# Allegro board BeagleBone_Green_Wireless_V1.0.brd (continued)
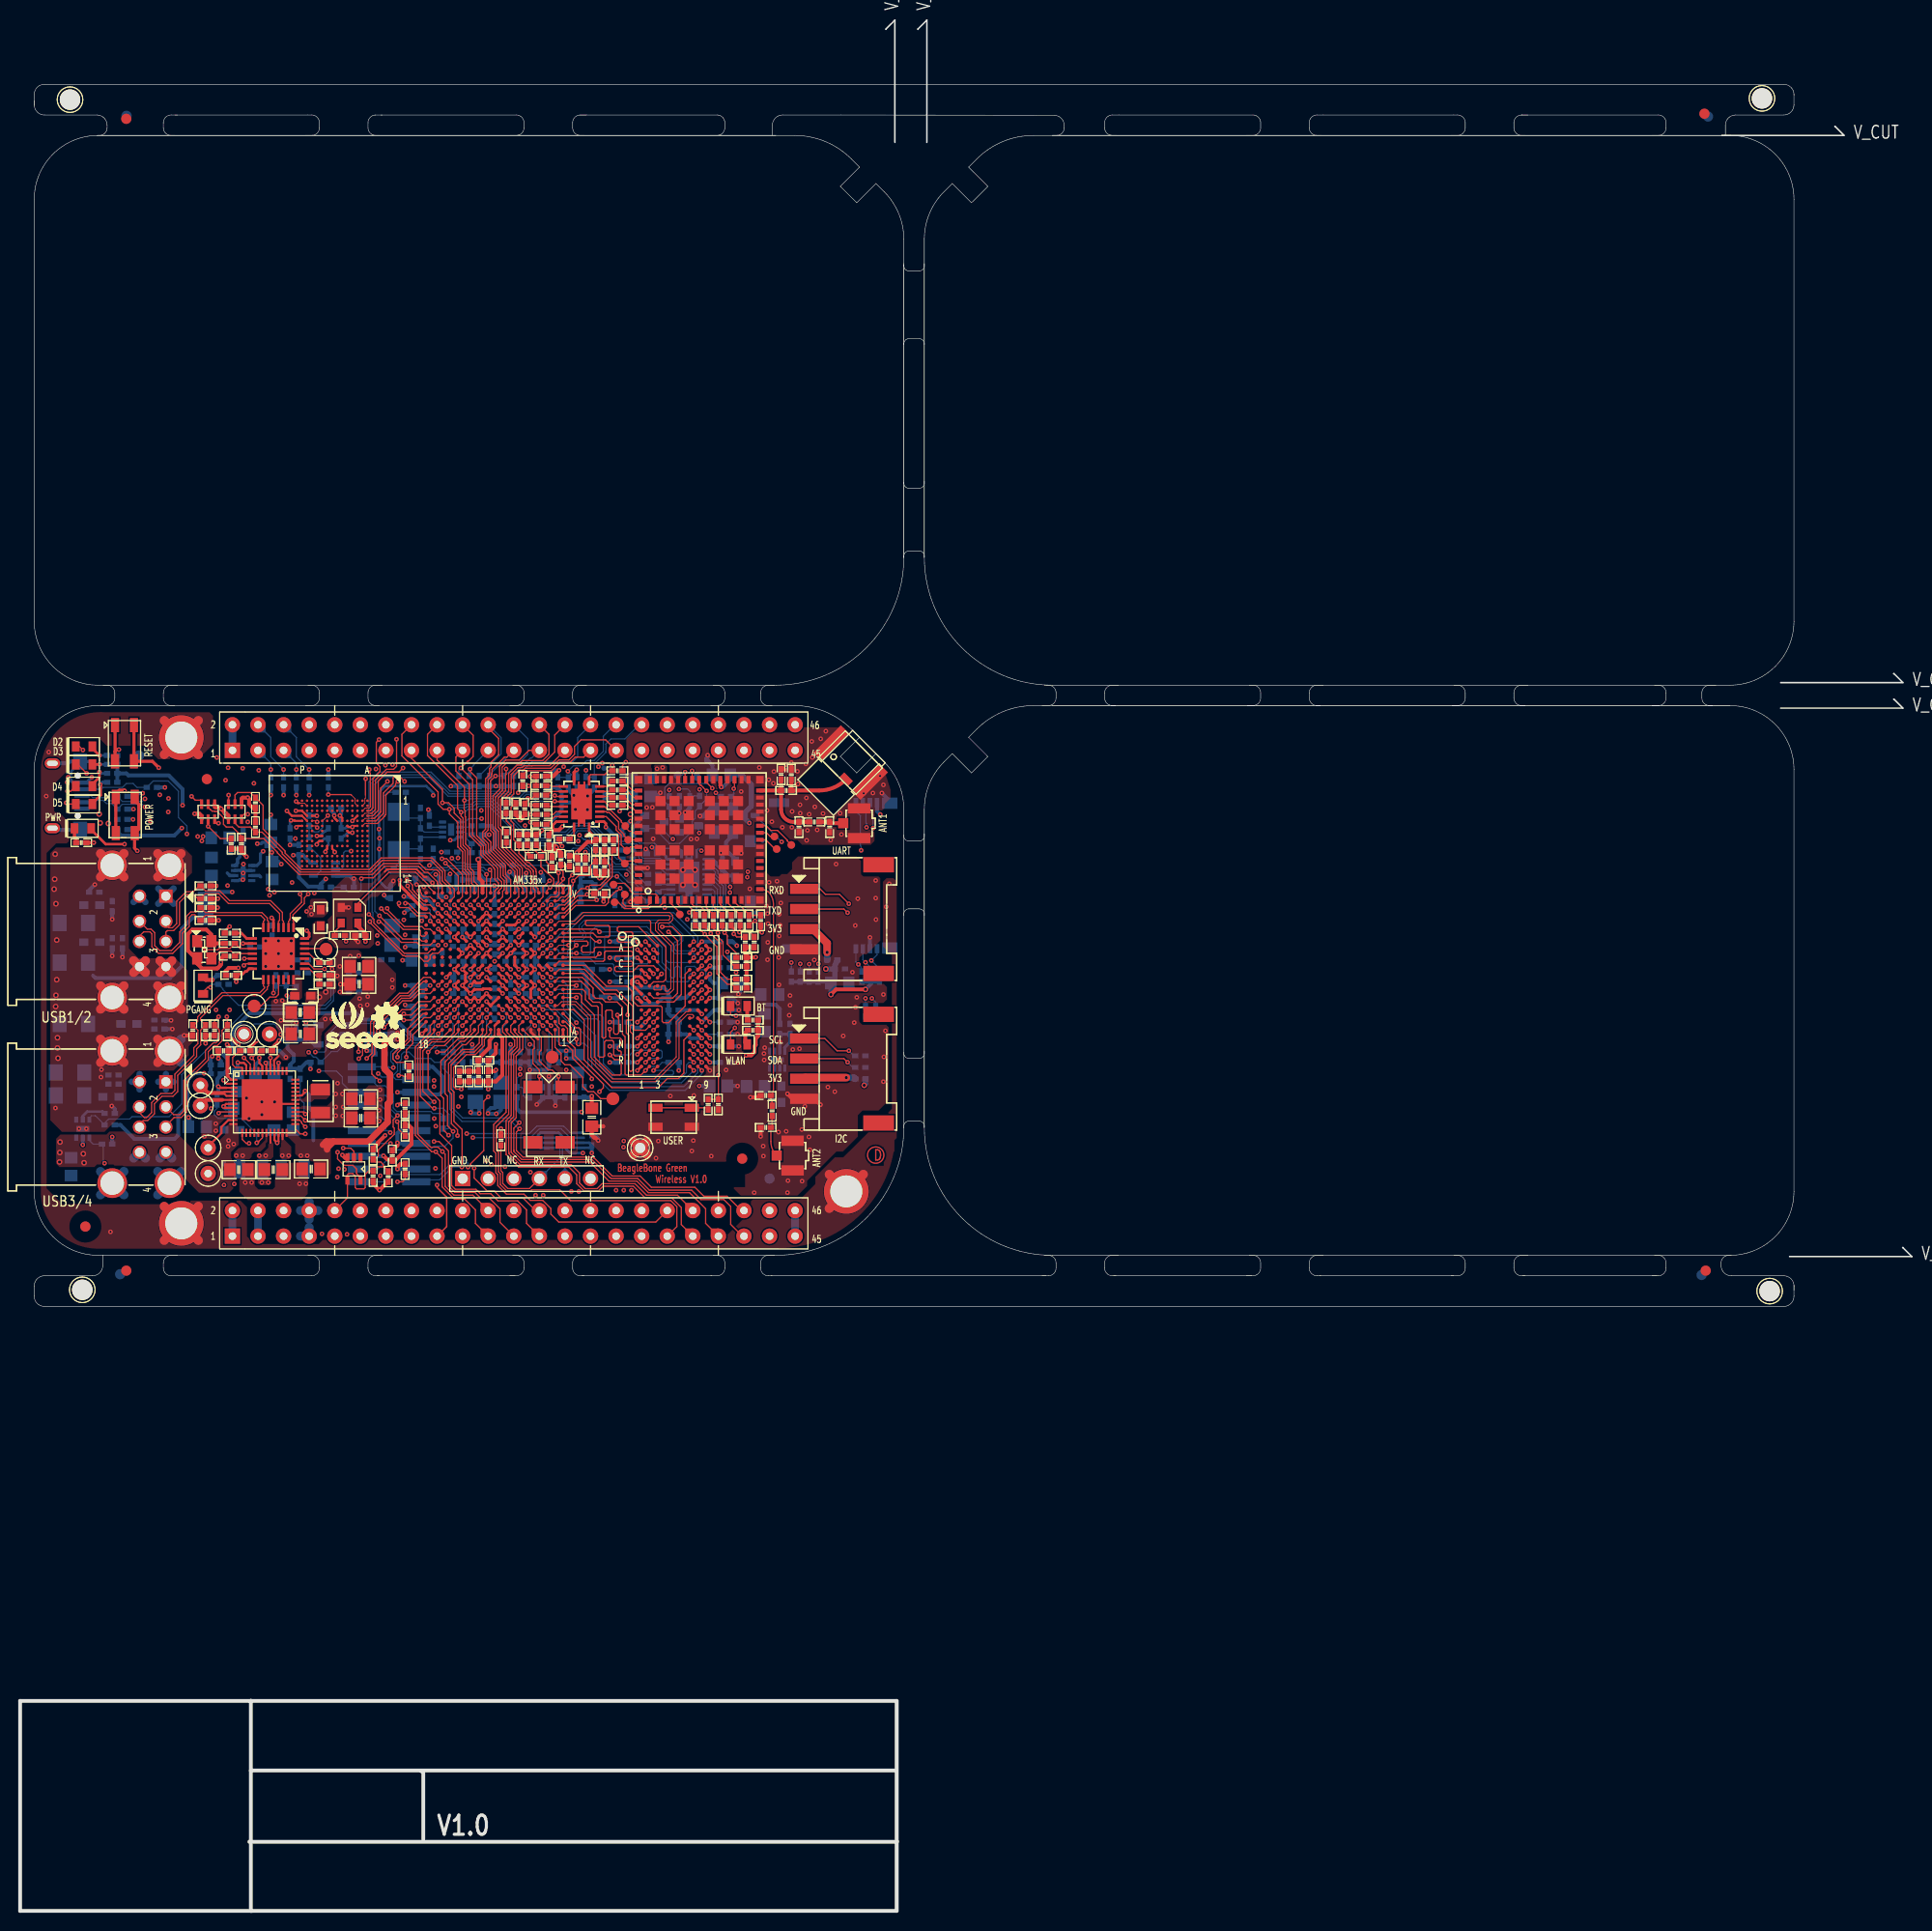
[diagram p0: board, top side]
## Routing (per net, layer and track width the routed paths; a pad name or vN(x,y) marks a point on that pad's centre or on a via; arc(x,y) is an arc through that point) (continued)
LEDDA: length 3.1
  TOP w0.254: D5.2 7.18,110.02 8,110.85 8,111.84 v1(7.95,111.89)
  BOTTOM w0.305: v1(7.95,111.89) 8.18,112.12 R71.2
LEDDC: length 19.3
  TOP w0.121: v1(19.7,108.05) 19.41,108.05 19.32,108.14 Q2.3 ; v1(4.57,110.08) 4.7,109.96 D5.1
  LYR3 w0.133: v1(4.57,110.08) 5.71,110.08 5.87,110.24 7.65,110.24 9.45,112.04 15.09,112.04 19.08,108.05 v1(19.7,108.05)
MMC0_CD: length 83.8
  TOP w0.121: v1(42.32,88.73) U5.C15
  LYR3 w0.127: v1(37.06,83.78) 37.33,84.05 47.9,84.05
  LYR3 w0.133: 47.9,84.05 48.79,84.94 53.11,84.94 53.8,84.25 54.61,84.25 55.91,82.96 55.91,81.13 56.62,80.42 68.38,80.42 72.67,84.71 72.67,91.31 75.57,94.21 v1(76.58,94.21) 77.93,95.55 77.93,103.9 v1(75.62,106.2)
  BOTTOM w0.121: 36.8,84.41 36.8,85.29 37.49,85.98 40.93,85.98 41.92,86.97 41.92,88.33 v1(42.32,88.73) ; P10.10 73.19,108.82 73.58,108.43 73.58,108.24 v1(75.62,106.2) ; R157.1 v1(76.58,94.21) ; 35.92,83.86 P2.19
  BOTTOM w0.127: 35.92,83.86 36.57,83.86 36.65,83.78 v1(37.06,83.78) 37.06,84.16 36.8,84.41
MMC0_CLKO: length 84
  TOP w0.121: v1(33.6,85.34) 33.6,85.9 34.8,87.1 34.8,88.3 37.66,91.16 38.48,91.16 40.06,92.74 40.72,92.74 U5.G17
  LYR3 w0.133: v1(84.53,94.41) 84.3,94.64 83.27,94.64 81.25,92.62 81.25,91.12 80.95,90.82 80.95,86.26 77.04,82.35 72.55,82.35 69.48,79.27 56.82,79.27 54.43,76.88 50.32,76.88 50.32,76.89 49.1,76.89 48.23,77.75 48.23,78.81 47.21,79.83 46.48,79.83 45.22,81.1 45.22,81.47 43.78,82.91 40.67,82.91 39.6,81.84 36.78,81.84 36.09,81.15 35.57,81.15 33.22,83.5 33.22,84.96 v1(33.6,85.34)
  BOTTOM w0.121: P10.5 85.09,94.97 v1(84.53,94.41) 85.34,93.6 R152.2
MMC0_CMD: length 94.8
  TOP w0.121: U5.G18 40.04,92.34 38.61,90.91 37.75,90.91 35.1,88.26 35.1,86.77 34.01,85.67 34.01,85.04 v1(33.63,84.66)
  LYR3 w0.133: v1(84.71,107.57) 84.71,105.26 79.45,100 79.45,94.26 v1(79.27,94.08) 79.27,93.5 79.83,92.94 79.83,90.83 80.44,90.22 80.44,86.26 77,82.81 72.69,82.81 69.45,79.57 56.74,79.57 54.28,77.12 50.42,77.12 50.41,77.12 49.19,77.12 48.64,77.67 48.64,78.97 47.45,80.16 46.48,80.16 45.62,81.03 45.62,81.64 44.11,83.14 40.57,83.14 39.6,82.17 36.32,82.17 36.2,82.04 35.54,82.04 33.63,83.96 v1(33.63,84.66)
  BOTTOM w0.121: R151.2 79.27,93.34 v1(79.27,94.08) ; P10.3 84.39,109.21 84.71,108.89 v1(84.71,107.57)
MMC0_DAT0: length 72.9
  TOP w0.121: v1(41.52,91.94) U5.G16
  LYR3 w0.133: v1(41.1,81.89) 41.53,81.89 41.68,82.04 43.98,82.04 44.3,81.73 44.3,79.12 44.6,78.82 45.74,78.82 48.14,76.42 50.12,76.42 50.12,76.41 54.67,76.41 57,78.74 69.61,78.74 72.51,81.64 77.6,81.64 82.37,86.41 82.37,89.94 82.4,89.97 82.4,90.78 83.95,92.33 v1(83.95,94.23)
  LYR4 w0.133: v1(41.52,91.94) 41.32,91.94 39.22,89.84 39.22,86.72 39.6,86.33 39.6,83.31 41.02,81.89 v1(41.1,81.89)
  BOTTOM w0.121: R153.2 84.46,93.73 v1(83.95,94.23) 83.69,94.49 P10.7
MMC0_DAT1: length 70.9
  TOP w0.121: v1(42.32,91.94) U5.G15
  LYR3 w0.127: 49,76.65 48.24,76.65
  LYR3 w0.133: v1(41.1,82.5) 43.86,82.5 44.79,81.57 44.79,80.94 46.02,79.71 46.02,78.86 48.24,76.65 ; 49,76.65 50.22,76.65 50.22,76.65 54.58,76.65 56.92,78.99 69.53,78.99 72.43,81.89 77.24,81.89 81.28,85.93 81.28,90.12 83.24,92.08 v1(83.24,94.03)
  LYR4 w0.121: v1(42.32,91.94) 41.92,91.54 41.35,91.54 41.13,91.32 ; 39.47,87.22 39.47,87 39.51,86.97 ; v1(41.1,82.5) 39.85,83.75 39.85,86.62
  LYR4 w0.133: 39.47,87.22 39.47,89.66 41.13,91.32 ; 39.85,86.62 39.51,86.97
  BOTTOM w0.121: P10.8 82.99,94.27 v1(83.24,94.03) 83.52,93.75 83.52,93.37 R154.2
MMC0_DAT2: length 86.5
  TOP w0.121: U5.F18 39.62,91.54 38.74,90.66 37.86,90.66 35.41,88.21 35.41,86.61 34.95,86.16 34.95,85.21 34.83,85.09 34.82,85.09 v1(34.42,84.68)
  LYR3 w0.133: v1(83.52,105.36) 83.52,104.78 78.7,99.96 78.7,95.95 77.47,94.72 v1(77.47,94.08) 77.01,93.62 75.49,93.62 72.92,91.06 72.92,84.58 68.52,80.18 56.52,80.18 55.63,81.07 55.63,82.72 54.4,83.95 53.64,83.95 53.05,84.54 48.83,84.54 47.42,83.13 45.49,83.13 45.02,83.61 37.71,83.61 37.49,83.39 37.22,83.39 37.2,83.37 36.14,83.37 34.82,84.68 v1(34.42,84.68)
  BOTTOM w0.121: R150.2 v1(77.47,94.08) ; v1(83.52,105.36) 83.52,105.74 83.44,105.81 83.44,108.79 82.99,109.23 P10.1
MMC0_DAT3: length 87.8
  TOP w0.121: v1(35.71,82.45) 35.44,82.72 35.34,82.72 34.92,83.13 34.92,84.83 35.2,85.11 35.2,86.05 35.71,86.56 35.71,88.14 37.99,90.41 38.86,90.41 39.58,91.13 40.71,91.13 U5.F17
  LYR3 w0.133: v1(35.71,82.45) 39.55,82.45 40.47,83.38 44.84,83.38 45.32,82.9 47.75,82.9 48.91,84.06 52.89,84.06 55.37,81.57 55.37,81 56.42,79.95 68.67,79.95 73.23,84.51 73.23,90.78 75.46,93.01 77.32,93.01 v1(78.36,94.06) 78.36,95.1 79.02,95.76 79.02,99.9 84.05,104.93 v1(84.05,107.65)
  BOTTOM w0.121: P10.2 83.69,109.65 84,109.35 84,108.07 84.05,108.02 v1(84.05,107.65) ; R155.2 v1(78.36,94.06)
MMC1_CLK: length 36.8
  TOP w0.076: U13.M6 29.32,107.79 v1(29.49,107.62)
  TOP w0.121: v1(44.68,113.43) 44.68,113.21 45.34,112.55 45.34,106.83 46.25,105.92 46.25,105.12 47.7,103.67 47.7,102.7 48.07,102.34 48.07,101.45 47.92,101.3 47.92,100.74 U5.U9
  LYR4 w0.133: v1(29.49,107.62) 29.62,107.62 30.12,108.13 30.12,109.17 31.67,110.72 37.82,110.72 40.06,112.95 44.2,112.95 v1(44.68,113.43)
  BOTTOM w0.121: R110.2 44.58,113.33 v1(44.68,113.43) 45.03,113.79 45.03,113.84 P8.21
MMC1_CMD: length 37.8
  TOP w0.076: v1(29.49,108.18) 29.38,108.29 U13.M5
  TOP w0.121: P8.20 44.98,116.79 44.98,114.68 44.53,114.22 44.45,114.22 v1(43.76,113.54) 44.93,112.37 44.93,106.88 46,105.82 46,105.02 47.42,103.6 47.42,102.61 47.82,102.21 47.82,101.64 47.52,101.34 U5.V9
  LYR4 w0.133: v1(43.76,113.54) 40.16,113.54 37.62,111 31.62,111 29.87,109.25 29.87,108.56 v1(29.49,108.18)
  BOTTOM w0.121: R109.2 43.56,113.33 v1(43.76,113.54)
MMC1_DAT0: length 48
  TOP w0.121: U13.A3 34.75,109.29 35.03,109.56 35.03,112.47 35.73,113.18 35.73,113.67 35.37,114.03 35.37,116.09 v1(35.64,116.36) ; U5.U7 49.51,100.73 49.51,101.56 49.36,101.71 49.36,103.39 48.7,104.05 48.7,104.07 47.24,105.53 47.24,107.16 46.96,107.44 46.96,110.77 47.64,111.45 47.64,111.9 47.61,111.93 47.61,113.71 48.23,114.33 49.56,114.33 50.52,115.29 P8.25
  LYR3 w0.133: v1(35.64,116.36) 36.65,116.36 37.03,115.98 37.67,115.98 38.25,116.56 50.29,116.56 P8.25
  BOTTOM w0.121: P8.25 50.8,114.53 50.67,114.53 49.02,112.88 R101.2
MMC1_DAT1: length 37.7
  TOP w0.121: v1(47.21,112.75) 46.72,112.26 46.72,107.34 46.98,107.07 46.98,107.02 46.99,107.01 46.99,105.43 48.45,103.97 48.45,103.95 49.12,103.28 U5.V7 ; v1(38.02,113.54) 37.62,113.13 36.44,113.13 35.56,112.25 35.56,109.33 35.01,108.79 U13.A4
  LYR4 w0.133: v1(47.21,112.75) 45.96,114 40.23,114 39.57,113.33 38.23,113.33 v1(38.02,113.54)
  BOTTOM w0.121: P8.24 50.42,116.43 50.42,114.91 48.89,113.39 48.77,113.39 48.13,112.75 R102.2 v1(47.21,112.75)
MMC1_DAT2: length 43.8
  TOP w0.121: v1(38.18,112.2) 37.71,112.67 37.15,112.67 37.03,112.55 37.03,112.01 36.07,111.05 36.07,109.02 35.46,108.41 35.34,108.29 U13.A5 ; v1(48.72,99.14) U5.R8
  LYR3 w0.121: 48.32,100.18 48.32,99.54 v1(48.72,99.14)
  LYR3 w0.133: v1(38.18,112.2) 38.47,112.2 38.57,112.31 42.98,112.31 44.11,111.18 44.81,111.18 47.18,108.8 47.18,107.02 47.62,106.58 47.62,100.87 48.32,100.18
  LYR4 w0.133: v1(27.43,113.39) 28.8,112.01 34.67,112.01 35.59,112.93 37.45,112.93 v1(38.18,112.2)
  BOTTOM w0.121: P8.5 27.43,114.02 v1(27.43,113.39) R103.2
MMC1_DAT3: length 39.9
  TOP w0.076: 34.29,110.85 34.29,110.54 34.24,110.49 34.24,110.05 33.99,109.8 U13.B2
  TOP w0.121: v1(48.72,99.94) U5.T8 ; 34.29,110.85 34.29,112.4 34.32,112.42 v1(34.32,112.47)
  LYR3 w0.133: v1(48.72,99.94) 48.72,100.36 47.89,101.19 47.89,106.88 47.52,107.24 47.52,107.36 47.52,107.37 47.52,108.82 44.91,111.43 44.19,111.43 42.98,112.64 34.86,112.64 34.7,112.47 v1(34.32,112.47)
  LYR4 w0.133: v1(34.32,112.47) 34.26,112.47 34.24,112.5 29.59,112.5 v1(28.7,113.39)
  BOTTOM w0.121: R104.2 v1(28.7,113.39) 27.43,114.66 27.43,116.56 P8.6
MMC1_DAT4: length 41.9
  TOP w0.076: 34.77,109.66 34.65,109.54 34.59,109.54 34.26,109.54 34,109.29 U13.B3
  TOP w0.121: 34.77,109.66 34.77,113.03 34.67,113.13 v1(34.67,113.39) ; U5.U8 48.71,100.73 48.71,102.44 48.21,102.95 48.21,103.87 46.74,105.33 46.74,106.18 46.62,106.31 46.18,106.74 46.18,107.07 46.47,107.36 46.47,112.36 46.81,112.7 46.81,112.92 46.86,112.97 46.86,113.39 48.1,114.62 48.35,114.62 P8.23
  LYR3 w0.133: P8.23 48.06,116.26 38.43,116.26 37.49,115.32 37.49,114.99 36.83,114.33 35.51,114.33 34.67,113.49 v1(34.67,113.39)
  BOTTOM w0.121: P8.23 46.61,112.88 R105.2
MMC1_DAT5: length 44.9
  TOP w0.076: 34.79,109.04 34.24,109.04 U13.B4
  TOP w0.121: 34.79,109.04 34.92,109.04 35.28,109.4 35.28,112.32 36.37,113.41 37.09,113.41 37.38,113.7 37.38,116.39 v1(37.38,116.4) ; U5.V8 48.32,102.49 47.96,102.85 47.96,103.76 46.49,105.23 46.49,106.02 45.94,106.58 45.94,107.18 46.22,107.46 46.22,112.47 46.56,112.8 46.56,113.02 46.62,113.08 46.62,113.49 46.76,113.63 46.76,114.1 47.51,114.85 47.51,116.47 46.48,117.5 P8.22
  LYR3 w0.133: v1(37.38,116.4) 37.48,116.5 37.71,116.5 38.05,116.84 45.69,116.84 46.48,117.63 P8.22
  BOTTOM w0.121: R106.2 47.75,114.91 47.75,116.56 P8.22
MMC1_DAT6: length 42.6
  TOP w0.076: U13.B5 34,108.29 34.25,108.53 34.87,108.53
  TOP w0.121: 34.87,108.53 35.05,108.53 35.18,108.53 35.79,109.14 35.79,109.17 35.81,109.19 35.81,111.54 v1(36.47,112.2) ; v1(47.92,99.14) U5.R9
  LYR3 w0.133: v1(36.47,112.2) 37.15,111.53 41.91,111.53 43.31,110.13 43.31,108.86 44.42,107.75 44.42,106.43 44.98,105.87 44.98,105.79 44.99,105.79 44.99,102.17 45,102.16 45,102.09 45.03,102.06 45.03,102.02 v1(47.92,99.14)
  LYR4 w0.133: v1(36.47,112.2) 35.8,112.2 35.03,111.43 26.85,111.43 v1(24.89,113.39)
  BOTTOM w0.121: R107.2 v1(24.89,113.39) 24.89,114.02 P8.3
MMC1_DAT7: length 45.6
  TOP w0.076: U13.B6 34.25,108.04 34.39,108.04 34.39,108.04 34.8,108.04 34.82,108.03
  TOP w0.121: v1(37.52,112.2) 37.29,111.97 37.29,111.81 36.32,110.84 36.32,108.91 36.22,108.82 36.22,108.76 35.48,108.03 34.82,108.03 ; v1(47.92,99.94) U5.T9
  LYR3 w0.133: v1(47.92,99.94) 47.66,99.94 45.59,102.01 45.59,103.45 45.64,103.51 45.64,103.58 46.1,104.04 46.1,105.13 44.7,106.53 44.7,109.07 41.99,111.79 37.94,111.79 v1(37.52,112.2)
  LYR4 w0.133: v1(37.52,112.2) 37.31,112.41 37.19,112.41 36.93,112.67 35.79,112.67 34.82,111.71 27.84,111.71 v1(26.16,113.39)
  BOTTOM w0.121: P8.4 24.89,116.56 24.89,114.66 v1(26.16,113.39) R108.2
OSC0_IN: length 19.5
  TOP w0.121: U5.V10 46.72,101.66 46.69,101.69 46.69,102.52 46.81,102.64 46.81,103.26 v1(46.65,103.42)
  LYR3 w0.133: v1(45.82,108.51) 45.82,106.55 47.14,105.23 47.14,103.91 v1(46.65,103.42)
  BOTTOM w0.121: U17.5 44.19,108.17 44.53,108.51 v1(45.82,108.51) ; R234.1 38.18,103.66 38.64,103.66
  BOTTOM w0.133: v1(46.65,103.42) 46.26,103.42 46.03,103.66 45.82,103.66 45.76,103.71 44.21,103.71 44.12,103.81 42.57,103.81 42.39,103.63 40.99,103.63 40.81,103.45 40.47,103.45 40.27,103.66 38.64,103.66
OSC0_OUT: length 22.3
  TOP w0.121: U5.U11 46.31,100.73 v1(46.31,102.97)
  LYR3 w0.133: 46.23,103.13 46.23,103.09 46.31,103.01 v1(46.31,102.97) 46.31,102.97
  BOTTOM w0.121: v1(46.31,102.97) 45.88,103.4 45.71,103.4 45.66,103.46 44.11,103.46 44.01,103.56 42.67,103.56 42.5,103.38 41.12,103.38 40.83,103.09 36.76,103.09 36.09,103.76 36.09,110.72 36.5,111.12 R235.1
OSC1_IN: length 8.2
  TOP w0.121: U5.A6 51.05,86.4 51.05,85.7 50.93,85.57 50.93,84.18 51.56,83.54 v1(51.56,82.91) 51.56,82.08 51.33,81.84 Y1.1
  BOTTOM w0.121: C21.2 51.88,82.59 v1(51.56,82.91)
OSC1_OUT: length 8.6
  TOP w0.121: U5.A4 51.52,87.01 51.75,86.78 51.75,85.51 51.56,85.32 51.56,84.43 52.45,83.54 52.83,83.54 v1(53.47,82.91) 53.47,82.08 53.7,81.84 Y1.4
  BOTTOM w0.121: C22.2 53.15,82.59 v1(53.47,82.91)
OVCUR1#: length 1.8
  TOP w0.121: U23.25 28.7,95.1 29.59,94.21 R224.1
P_BYPASS: length 2.6
  TOP w0.203: v1(21.62,84.28) 21.65,84.24 22.22,84.24 22.46,84.01 U2.47
  BOTTOM w0.381: v1(21.62,84.28) 21.59,84.25 C4.2
P_INT_LDO: length 3.1
  TOP w0.121: C3.2 21.78,85.45 21.11,84.77 21.11,84.05 21.36,83.79 21.97,83.79 22.06,83.71 U2.48
P_L1: length 1
  TOP w0.203: U2.20 24.86,76.3
  vias: v1(23.75,75.03) v1(24.38,75.03)
P_L2: length 0.6
  TOP w0.203: 26.06,76.66 U2.23
  vias: v1(26.04,75.03) v1(26.67,75.03)
PGANG: length 20
  TOP w0.121: D6.1 18.16,91.29 18.62,91.74 v1(18.9,91.74) ; U23.23 28.66,94.1 29.18,93.57 v1(30.23,93.57)
  BOTTOM w0.121: v1(30.23,93.57) 30.24,93.57 30.49,93.33 30.49,92.93 30.86,92.56 30.86,90.53 30.3,89.97 21.69,89.97 20.12,91.54 20.12,91.62 R220.2 19.02,92.05 18.9,91.93 v1(18.9,91.74)
PMIC_INT: length 24.1
  TOP w0.121: U5.B18 38.99,87.01 38.99,86.16 38.35,85.52 v1(38.35,84.81) ; R1.2 23.75,85.45 23.05,84.75 v1(22.99,84.75) 23.26,84.48 U2.45
  LYR3 w0.133: v1(38.35,84.81) 37.85,84.3 36.2,84.3 34.59,85.9 31.67,85.9 30.63,84.86 27.51,84.86 27.18,85.19 23.43,85.19 v1(22.99,84.75)
PMIC_PGOOD: length 30.1
  TOP w0.121: v1(32.08,75.77) 32.83,75.77 33.15,75.45 U16.2 ; U2.26 27.75,78.57 27.95,78.36 27.95,78.26 v1(28.32,77.89) ; v1(42.32,87.93) U5.B15
  LYR3 w0.133: v1(43.51,79.91) 43.51,79.83 42.93,79.25 39.7,79.25 38.33,77.88 36.47,77.88 34.37,75.77 v1(32.08,75.77) 31.69,75.77 31.69,75.77 31.35,75.77 31.35,75.77 30.44,75.77 v1(28.32,77.89)
  LYR4 w0.133: v1(43.51,79.91) 43.15,80.26 43.15,84.15 42.9,84.4 42.9,85.95 42.32,86.54 v1(42.32,87.93)
PMIC_POWR_EN: length 65.5
  TOP w0.121: v1(50.32,88.73) U5.C6 ; v1(19.71,79.25) 19.83,79.37 U2.9
  LYR3 w0.133: v1(59.92,75.87) 58.03,73.98 55.26,73.98 54.72,74.52 49.34,74.52 49.34,74.52 47.36,74.52 46.67,75.21 43.32,75.21 43.28,75.17 43.27,75.17 42.29,74.19 40.77,74.19 40.58,74.37 36.35,74.37 36.35,74.37 35.82,74.37 35.57,74.63 32.89,74.63 32.64,74.37 23.77,74.37 21.46,76.68 21.46,77.59 19.8,79.25 v1(19.71,79.25)
  LYR4 w0.133: v1(50.32,88.73) 50.32,87.58 51.82,86.08 54.61,86.08 56.13,84.56 56.39,84.56 59.31,81.64 59.31,76.43 59.87,75.87 v1(59.92,75.87)
PROC_A15: length 14
  TOP w0.121: U5.A15 42.32,87.13 41.77,86.59 40.74,86.59 39.74,85.59 39.74,80.94 40.94,79.73 v1(41.12,79.73)
  BOTTOM w0.121: v1(41.12,79.73) 41.99,79.73 42.6,79.12 42.6,77.82 42.48,77.7 R18.1
PSELF: length 2.6
  TOP w0.121: U23.22 28.7,93.6 29.36,92.94 R226.2 R225.1
PWR_BUT: length 63.5
  TOP w0.121: U2.25 27.33,77.67 27.81,77.19 v1(28.32,77.19)
  TOP w0.305: S3.2 11.38,110.31 11.79,109.91 11.79,107.47 S3.4 11.36,107.05 11.36,105.58 v1(11.63,105.31)
  LYR3 w0.133: v1(28.32,77.19) 27.84,77.19 26.42,75.77 25.43,75.77 24.35,76.85 22.49,76.85 21.95,77.39 21.95,77.7 20.13,79.51 20.02,79.51 19.63,79.91 19.17,79.91 v1(18.96,79.71)
  LYR4 w0.127: 32.31,70.41 30.94,71.78 30.94,74.51
  LYR4 w0.133: v1(18.96,79.71) 18.96,83.45 16.92,85.5 16.92,87.2 16.05,88.06 13.51,88.06 12.52,89.05 12.52,91.11 9.63,94.01 9.63,100.91 11.63,102.92 v1(11.63,105.31) ; v1(28.32,77.19) 28.59,76.92 28.59,76.85 30.94,74.51 ; 32.31,70.41 32.31,68.1 P9.9
PWR_LEDR: length 1.5
  TOP w0.305: R12.2 5.56,106.53 5.4,106.69 D1.1
SLOW_CLK: length 8
  LYR3 w0.121: v1(69.09,111.07) 69.09,110.7 69.11,110.67 69.11,110.65 69.14,110.62 69.14,106.81 v1(67.65,105.32)
  BOTTOM w0.121: R213.1 69.42,110.72 69.09,111.05 v1(69.09,111.07) ; U22.1 67.17,105.35 67.31,105.49 67.49,105.49 v1(67.65,105.32)
SPI1_CS0: length 100.6
  TOP w0.121: v1(44.72,88.73) U5.C12
  TOP w0.127: v1(50.71,109.86) 50.72,109.86 50.75,109.83 R236.1
  LYR3 w0.127: v1(48.15,73.93) 47.62,73.93 46.57,74.98 43.41,74.98 43.38,74.94 43.37,74.94 41.72,73.3 36.51,73.3 36.14,73.66 v1(32.21,73.66)
  LYR4 w0.127: v1(32.21,73.66) 33.78,75.23 33.78,76.63 34.97,77.82 34.97,78.71 35.16,78.89 35.16,83.35 35.32,83.51 35.32,86.55 34.76,87.11 34.76,88.38 35.52,89.14 35.52,93.58 36.97,95.03 36.97,97.29 36.39,97.87 34.57,97.87 34.23,98.21 34.23,99.16 34.67,99.6 34.67,101.24 36.91,103.48 38.16,103.48 42.79,108.11 43.97,108.11 46.28,110.41 47.55,110.41 50.27,113.13 50.88,113.13 51.23,112.78 51.23,110.38 v1(50.71,109.86) ; 48.15,74.52 v1(48.15,73.93) 48.15,73.22 48.07,73.14 48.07,72.17 48.74,71.5 50.65,71.5
  LYR4 w0.133: 48.15,74.52 48.15,76.28 47.11,77.32 47.11,78.72 46.86,78.97 46.86,79.43 45.31,80.98 45.31,86.39 44.72,86.98 v1(44.72,88.73) ; P9.28 52.17,71.5 50.65,71.5
SPI1_D0: length 107.6
  TOP w0.121: U5.B13 v1(43.92,87.93)
  TOP w0.127: v1(50.67,108.15) 50.88,107.95 R238.1
  LYR3 w0.127: v1(31.62,73.73) 31.6,73.71 31.6,73.41 31.75,73.26 33.02,73.26 33.2,73.43 36.05,73.43 36.41,73.07 41.82,73.07 43.46,74.71 43.47,74.71 43.51,74.75 46.08,74.75 v1(46.3,74.52)
  LYR4 w0.127: v1(50.67,108.15) 50.32,108.51 50.32,109.09 50.65,109.43 51.13,109.43 51.46,109.75 51.46,112.87 50.95,113.39 50.2,113.39 47.45,110.64 46.18,110.64 43.88,108.34 42.69,108.34 38.07,103.71 36.82,103.71 34.44,101.33 34.44,99.7 34,99.26 34,98.12 34.48,97.64 36.29,97.64 36.74,97.2 36.74,95.12 35.29,93.68 35.29,89.23 34.53,88.48 34.53,87.01 35.09,86.46 35.09,83.6 34.84,83.35 34.84,78.9 34.74,78.8 34.74,77.92 33.55,76.72 33.55,75.66 31.89,74 31.89,74 v1(31.62,73.73) ; 47.37,73.2 46.88,73.7 46.62,73.7 46.3,74.02 v1(46.3,74.52) 46.3,75.93 46.35,75.98
  LYR4 w0.133: 46.35,75.98 46.54,76.16 46.54,76.45 46.57,76.48 46.57,77.64 46.35,77.85 46.35,77.88 45.14,79.1 45.14,80.25 44.81,80.58 44.81,84.43 44.06,85.18 44.06,86.37 43.51,86.92 43.51,87.53 v1(43.92,87.93) ; 56.64,67.03 55.5,68.17 53.47,68.17 53.21,68.43 51,68.43 50.21,69.22 50.21,70.06 49.28,71 48.43,71 47.5,71.93 47.5,73.08 47.37,73.2
SPI1_D1: length 111.6
  TOP w0.121: v1(44.72,89.54) U5.D12
  TOP w0.127: R237.1 v1(50.72,108.92)
  LYR3 w0.127: v1(31.5,72.9) 35.15,72.9 35.58,72.47 36.85,72.47 37.31,72.01 37.64,72.01 38.24,72.61 42.01,72.61 43.65,74.25 43.66,74.25 43.7,74.29 45.55,74.29 46.12,73.72 47.03,73.72 47.23,73.52 48.33,73.52 48.5,73.7 48.5,73.71 48.81,74.02 50.04,74.02 v1(50.67,73.38)
  LYR4 w0.121: v1(50.67,73.38) 50.34,73.05 50.34,72.31 ; 45.12,88.24 45.12,89.14 v1(44.72,89.54)
  LYR4 w0.127: v1(31.5,72.9) 31.22,73.18 31.22,73.99 31.88,74.65 32.18,74.65 33.32,75.79 33.32,76.82 34.52,78.01 34.52,83.35 34.85,83.69 34.85,86.37 34.31,86.92 34.31,88.57 35.06,89.33 35.06,93.77 36.51,95.22 36.51,97.1 36.25,97.36 34.44,97.36 33.77,98.02 33.77,99.35 34.21,99.79 34.21,101.43 36.72,103.94 37.97,103.94 42.6,108.57 43.78,108.57 46.09,110.87 47.36,110.87 50.1,113.61 51.04,113.61 51.69,112.97 51.69,109.5 51.1,108.92 v1(50.72,108.92) ; 50.34,73.76 50.34,73.71 v1(50.67,73.38) ; 50.34,72.31 50.92,71.73 52.27,71.73 52.33,71.67 52.33,71.67
  LYR4 w0.133: 56.64,69.57 55.19,69.57 55.06,69.7 55.06,69.97 54.5,70.53 53.48,70.53 52.33,71.67 ; 45.12,88.24 45.12,87.01 45.55,86.58 45.55,81.23 46.59,80.19 46.85,80.19 47.69,79.35 47.69,78.47 47.35,78.13 47.35,77.42 48.44,76.33 48.44,76.25 50.34,74.35 50.34,73.76
SPI1_SCLK: length 94.1
  TOP w0.121: U5.A13 v1(43.92,87.13)
  TOP w0.127: v1(53.82,105.77) 53.8,105.77 53.54,106.02 R239.1
  LYR3 w0.127: v1(46.81,74.12) 46.12,74.12 45.72,74.52 43.6,74.52 43.57,74.48 43.56,74.48 41.91,72.84 35.95,72.84 v1(35.76,73.03)
  LYR4 w0.127: v1(35.76,73.03) 35.38,73.03 34.52,73.89 34.52,76.25 36.71,78.44 36.71,83.21 36.6,83.31 36.6,83.32 36.43,83.49 36.43,83.54 36.25,83.73 36.25,87.04 35.74,87.55 35.74,87.92 36.45,88.64 36.45,92.56 37.85,93.95 38.25,93.95 38.79,94.49 38.79,97.5 38.53,97.76 38.53,99.01 38.95,99.42 38.95,99.91 38.98,99.94 38.98,99.99 39.07,100.07 39.07,101.69 38.96,101.79 38.96,102.97 41.96,105.96 43.2,105.96 43.33,106.1 53.49,106.1 v1(53.82,105.77) ; 46.84,74.35 46.84,74.15 v1(46.81,74.12) 47.73,73.2 47.73,73.2
  LYR4 w0.133: 46.84,74.35 46.84,78.21 46,79.04 46,79.81 45.06,80.75 45.06,84.68 44.35,85.39 44.35,86.7 v1(43.92,87.13) ; 47.73,73.2 47.73,72.03 48.53,71.23 49.38,71.23 50.07,70.54 52.15,70.54 53.09,69.6 53.09,69.11 53.77,68.43 57.78,68.43 P9.31
SYS_5V: length 53.6
  TOP w0.203: U2.32 27.37,81 27.97,81 28.19,81.23 28.19,81.36 v1(28.3,81.46) ; U2.2 20.55,82.17 v1(20.19,82.52) ; U2.21 25.26,76.57 v1(25.53,76.3) 25.66,76.43 U2.22 ; U2.7 20.44,80.17 v1(20.19,79.92) 20.35,79.77 U2.8 ; U2.42 24.46,84.13 v1(24.38,84.24) ; U2.39 v1(25.66,84.24)
  LYR4 w0.381: v1(20.6,101.85) 20.6,102.49 20.22,102.87 20.22,107.82 20.23,107.83 20.23,108.27 18.67,109.83 v1(16.13,109.83)
  LYR4 w0.889: P9.8 29.36,70.23 ; P9.8 28.04,70.23 ; P9.8 28.04,68.91 ; P9.8 29.36,68.91
  LYR4 w1.016: P9.7 P9.8
  BOTTOM w0.33: 23.88,102.72 23.74,102.85 U20.7
  BOTTOM w0.381: v1(16.13,109.83) 16.13,111.43 14.76,112.8 10.74,112.8 10.54,113 9.65,113 ; v1(25.66,84.24) 25.66,83.61 C13.2 24.89,83.48 24.89,83.99 24.64,84.24 v1(24.38,84.24) ; v1(20.19,79.92) 20.38,79.73 C10.2 ; 9.65,112.12 9.65,113 ; 9.65,113 9.65,114.78 ; R227.2 26.64,90.78 26.49,90.93 v1(26.48,90.93) ; v1(28.3,81.46) 28.68,81.08 28.68,79.83 29.11,79.4 29.11,76.56
  BOTTOM w0.889: P9.8 29.57,69.57 ; P9.8 28.7,68.71 ; P9.8 28.7,70.43 ; P9.8 27.84,69.57 ; 28.7,67.89 P9.7 27.84,67.03
  vias: v1(24.64,101.5) v1(24.76,100.89) v1(25.25,101.19) v1(28.45,99.29) v1(28.88,99.7) v1(28.93,99.01)
SYS_RESETN: length 92.4
  TOP w0.121: P9.10 32.5,70.83 U16.4 32.5,73.11 32.64,73.25 33.02,73.25 33.27,73 33.27,71.86 33.4,71.73 34.14,71.73 34.26,71.85 34.26,73.16 34.61,73.51 C24.1 ; v1(37.47,79.01) 37.04,78.58 37.04,77.87 37.15,77.76 37.15,77.15 36.76,76.76 36.73,76.76 35.57,75.59 35.57,74.99 35.23,74.65 R14.2 35.31,74.4 35.81,74.4 36.07,74.14 ; v1(43.81,81.64) 43.31,81.64 43.05,81.89 43.05,83.79 44.32,85.06 45.21,85.06 46.1,85.95 46.1,86.59 46.72,87.2 U5.A10
  TOP w0.127: C30.1 36.55,73.52 36.16,73.91 ; 36.16,73.91 36.1,73.91 36.09,73.91 35.46,73.91 C24.1 ; 36.16,73.91 36.07,74 36.07,74.14
  TOP w0.305: v1(13.77,113.56) 13.13,114.2 S1.4 S1.2
  LYR3 w0.133: v1(37.47,79.01) 38.5,79.01 40.61,81.13 43.31,81.13 v1(43.81,81.64)
  LYR4 w0.121: v1(13.77,113.56) 15.06,113.56 17.88,110.74 19.56,110.74 21.74,108.56 21.74,106.4 24.87,103.28 27.76,103.28 29.79,101.24 29.79,93.42 29.9,93.32 29.9,91.9 29.01,91.01 29.01,86.87 29.92,85.95 29.92,83.69 v1(29.67,83.44)
  BOTTOM w0.121: v1(37.47,79.01) 37.46,79.02 37.46,79.04 37.34,79.17 37.3,79.17 36.73,79.74 36.73,80.57 36.28,81.01 35.5,81.01 35.19,81.32 P2.15 32.89,81.32 32,82.21 32,82.83 31.39,83.44 v1(29.67,83.44)
TESTOUT: length 2.9
  TOP w0.121: TP3.1 52.83,87.02 U5.A3
TIMER4: length 33.9
  TOP w0.121: v1(49.52,99.14) U5.R7
  LYR3 w0.121: 49.12,100.18 49.12,99.54 v1(49.52,99.14)
  LYR3 w0.133: 49.12,100.18 49.12,100.46 48.15,101.43 48.15,107.07 47.75,107.47 47.75,108.97 45.03,111.68 44.27,111.68 43.02,112.93 36.27,112.93 35.76,113.44 v1(35.33,113.44)
  LYR4 w0.133: P8.7 28.7,114.27 30.1,112.88 34.9,112.88 35.33,113.31 v1(35.33,113.44)
TIMER5: length 30.6
  TOP w0.121: v1(50.32,99.94) U5.T6
  LYR3 w0.133: v1(36.98,113.87) 37.31,114.2 42.39,114.2 42.5,114.09 42.58,114.09 44.4,112.27 45.29,112.27 48.39,109.17 48.39,107.75 49.47,106.67 49.47,101.38 50.32,100.53 v1(50.32,99.94)
  LYR4 w0.133: v1(36.98,113.87) 36.58,114.27 32.26,114.27 P8.9
TIMER6: length 34.9
  TOP w0.121: v1(48.26,113.44) 48.26,112.91 48.21,112.86 48.21,111.28 47.47,110.54 47.47,107.65 47.73,107.39 47.73,107.38 47.76,107.34 47.76,105.71 49.2,104.28 49.2,104.25 49.86,103.59 49.86,102.06 50.31,101.6 50.31,100.73 U5.U6
  LYR4 w0.133: P8.10 32.26,116.81 47.09,116.81 47.83,116.08 47.83,113.92 48.26,113.49 v1(48.26,113.44)
TIMER7: length 34.6
  TOP w0.121: v1(49.52,99.94) U5.T7
  LYR3 w0.133: v1(36.27,113.82) 36.63,113.46 37.21,113.46 37.71,113.96 42.29,113.96 42.4,113.86 42.46,113.86 44.32,111.99 45.14,111.99 48.08,109.04 48.08,107.65 49.15,106.58 49.15,101.31 49.52,100.94 v1(49.52,99.94)
  LYR4 w0.133: v1(36.27,113.82) 35.89,113.82 35.81,113.89 31.17,113.89 29.97,115.09 29.97,116.56 P8.8
U5_R13: length 7.2
  TOP w0.121: v1(43.92,99.14) U5.R13
  LYR3 w0.121: 44.32,100.3 44.32,100.11 44.32,100.1 44.32,99.77 44.32,99.76 44.32,99.54 v1(43.92,99.14)
  LYR3 w0.133: v1(43.49,104.6) 43.49,101.29 44.11,100.67 44.11,100.51 44.32,100.3
  BOTTOM w0.133: v1(43.49,104.6) 43.49,105.1 R160.1
U5_T13: length 10.9
  TOP w0.121: v1(43.92,99.94) U5.T13
  LYR3 w0.133: v1(42.88,104.57) 43.15,104.3 43.15,101.23 43.79,100.58 43.79,100.43 43.92,100.31 v1(43.92,99.94)
  BOTTOM w0.121: v1(42.88,104.57) 43.09,104.36 43.09,104.36 43.32,104.12 44.16,104.12 44.32,103.97 45.87,103.97 45.92,103.91 47.32,103.91 47.37,103.86 R161.1
UART0_RX: length 28.2
  TOP w0.121: v1(42.32,90.34) U5.E15
  LYR4 w0.133: v1(44.96,76.82) 44.96,77.26 44.47,77.74 44.07,77.74 42.4,79.42 42.4,79.69 42.21,79.87 42.21,80.13 42.2,80.15 42.2,80.26 42.16,80.29 42.16,80.3 42.09,80.37 42.09,83.39 41.81,83.67 41.81,85.55 40.85,86.51 40.85,89.4 41.36,89.92 41.9,89.92 v1(42.32,90.34)
  BOTTOM w0.121: U15.6 54.62,76.8 53.72,77.7 51.56,77.7 50.68,76.82 v1(44.96,76.82)
UART0_TX: length 27.5
  TOP w0.121: v1(41.52,90.34) U5.E16
  LYR4 w0.133: v1(41.52,90.34) 41.41,90.34 40.59,89.51 40.59,85.98 40.97,85.6 40.97,83.95 41.81,83.11 41.81,79.6 43.92,77.49 44.07,77.49 v1(44.34,77.22)
  BOTTOM w0.121: v1(44.34,77.22) 50.57,77.22 51.31,77.95 53.98,77.95 54.62,77.3 U15.5
UART1_RXD: length 27.5
  TOP w0.121: U5.D16 41.53,89.55 v1(41.53,89.51) ; P9.26 51.18,69.57 49.89,70.87 47.73,70.87 47.09,71.5 46.38,71.5 45.09,72.8 v1(45.09,73.79)
  LYR4 w0.121: v1(41.53,89.51) 41.92,89.12 41.92,86.96 41.96,86.92
  LYR4 w0.133: 41.96,86.92 41.96,86.54 42.6,85.9 42.6,84.23 42.9,83.92 42.9,80.44 42.92,80.42 42.92,80.17 43.1,79.98 43.1,79.71 44.37,78.45 44.76,78.45 45.86,77.35 45.86,76.77 45.83,76.74 45.83,76.45 45.39,76.01 45.39,74.09 v1(45.09,73.79)